# EAGLE board Mk4 Final a Panel score (EAGLE 9.0.1), part 17 of 24 (continued)
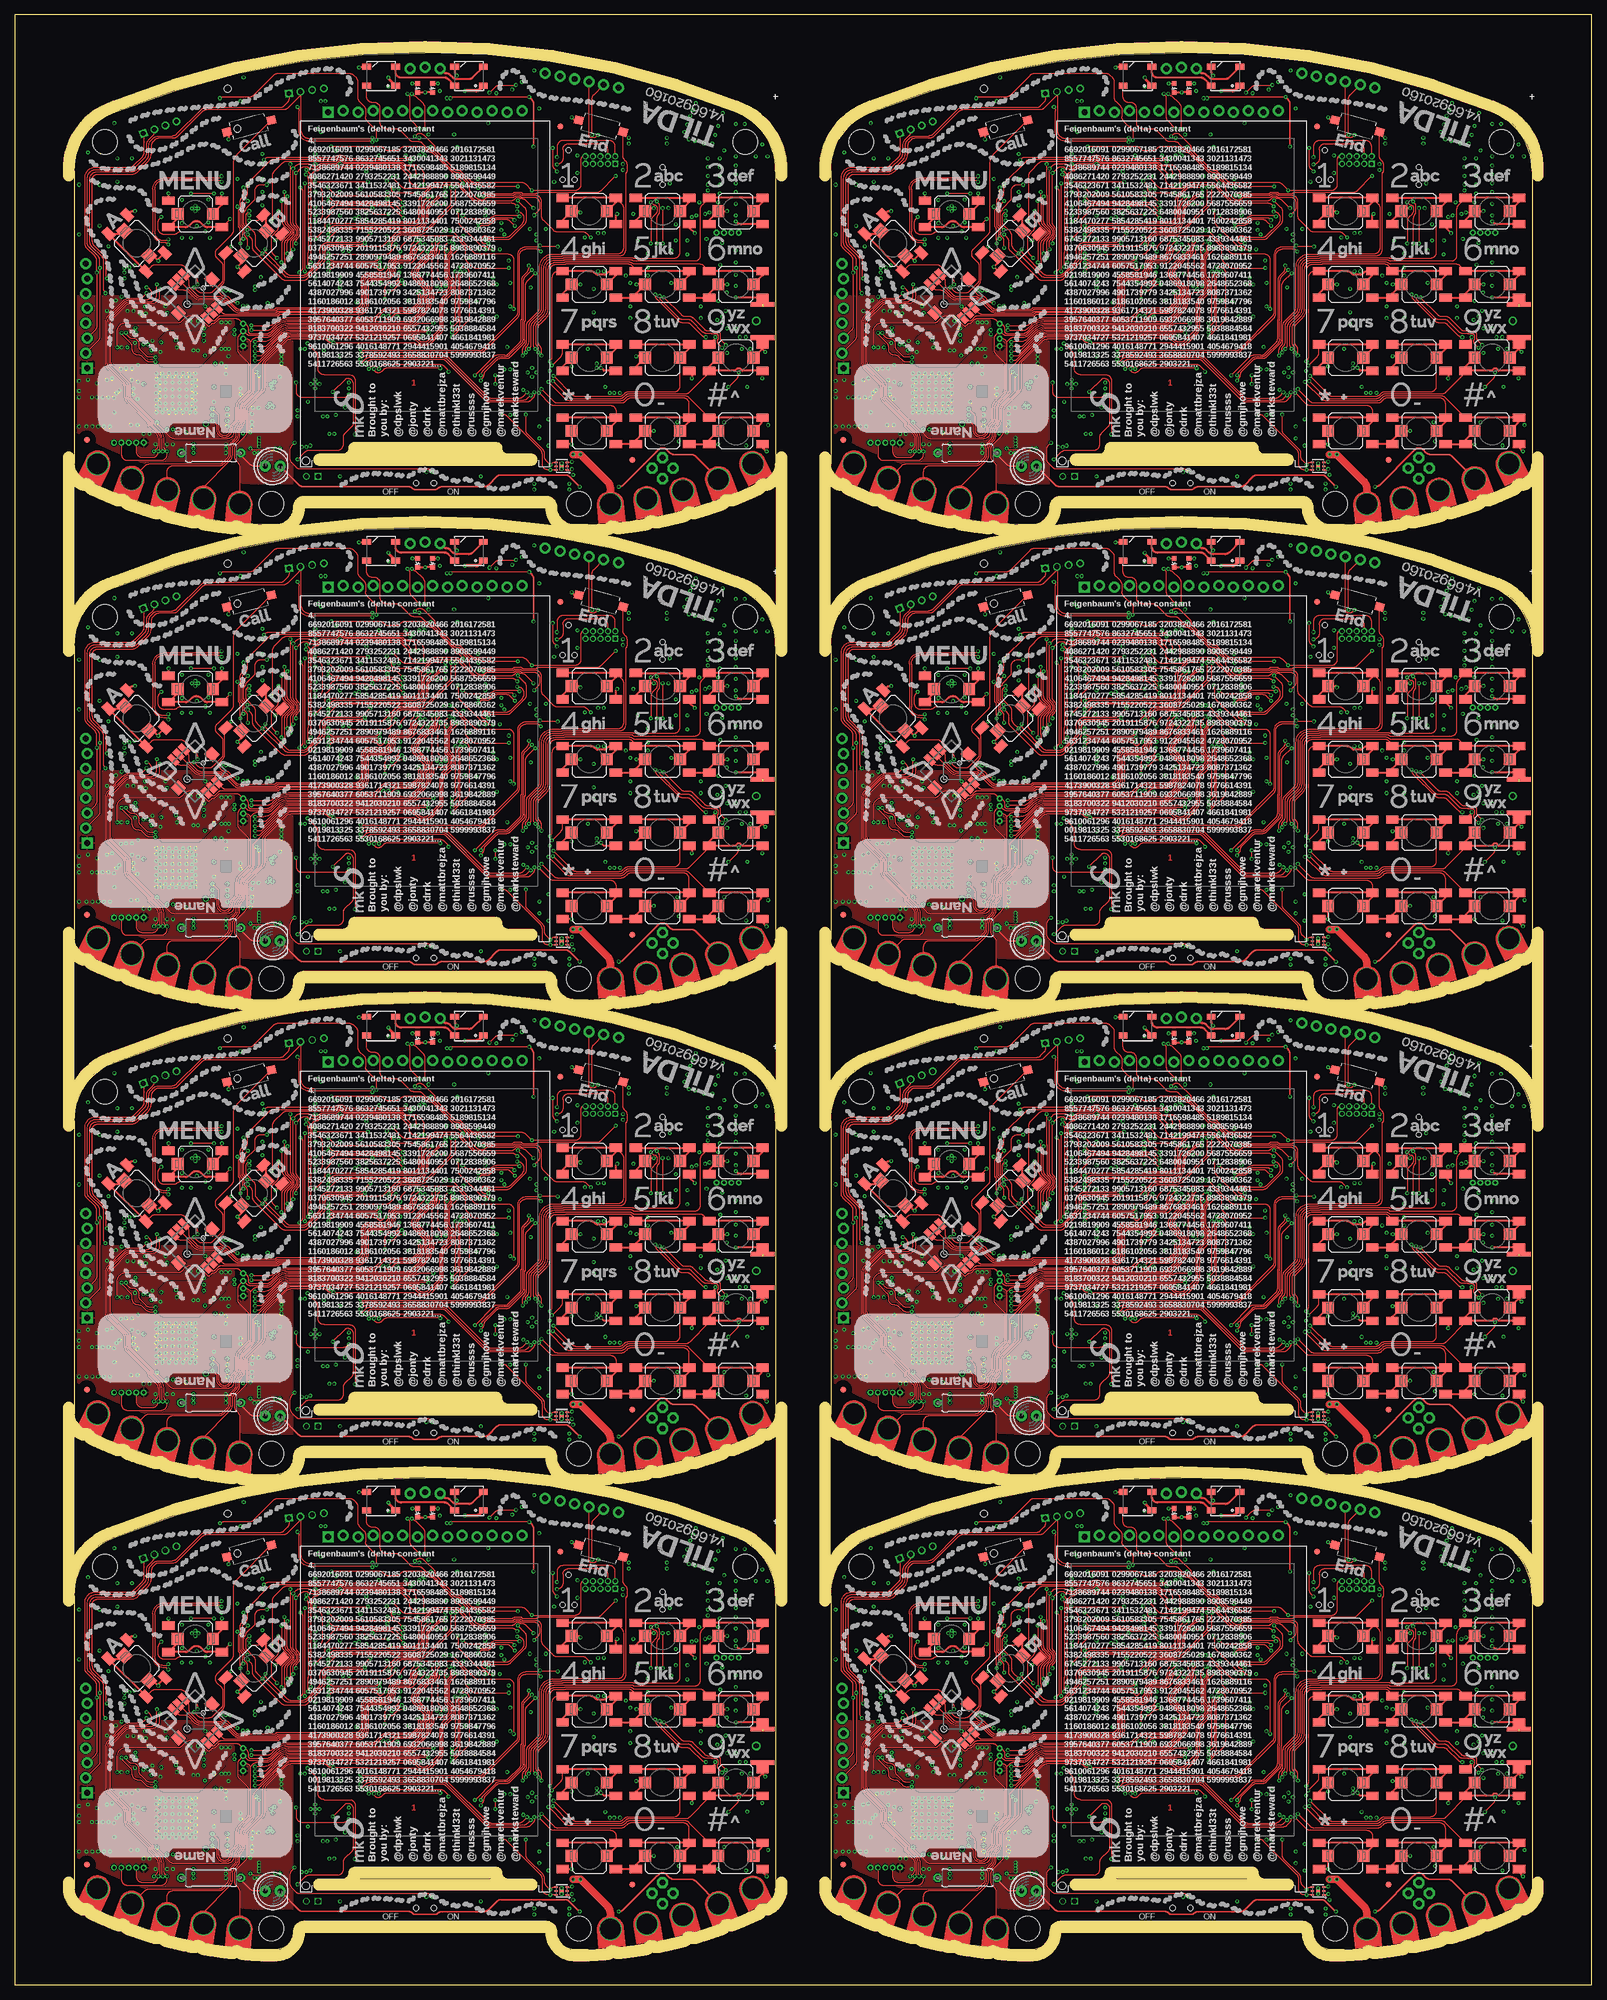
[diagram p0: board, top side]
## Tracks (layer width: path | path; a pad name or v marks a point on that pad's centre or on a via) (continued)
SDRAM_A102  (via drill 0.3)
  Top 0.15: v168,297.75 168,298.08 167.86,298.22 167.86,299.46 arc45 167.79,299.64 167.57,299.85 arc-45 167.5,300.03 167.5,302.37 arc-45 167.65,302.72 167.72,302.79 arc45 167.86,303.14 167.86,303.95 arc-45 168.16,304.66 168.46,304.96 arc45 168.75,305.66 v168.75,307.25 172.53,311.03 arc-45 173.24,311.32 183.73,311.32 183.79,311.38 arc-90 185.21,311.38 185.42,311.18 195.97,311.18 arc-45 v196.47,310.97
  Bottom 0.15: IC127.48 169.55,307.3 169.5,307.25 v168.75,307.25 | IC127.36 169.55,297.7 169.5,297.75 v168,297.75 | v196.47,310.97 196.8,310.64 IC128.75
SDRAM_A103  (via drill 0.3)
  Top 0.15: v168,306.5 168,305.41 arc-45 167.71,304.71 arc45 167.5,304.21 167.5,303.49 167.53,303.47 167.53,303.1 arc-45 167.47,302.98 167.47,302.97 167.35,302.84 arc45 167.2,302.49 167.2,299.91 arc45 167.27,299.73 167.4,299.6 arc-45 167.47,299.42 167.47,297.53 167.5,297.51 v167.5,297 | v180.25,297.75 181.68,299.18 arc45 181.97,299.89 181.97,300.71 arc-45 182.27,301.42 183.46,302.61 arc-45 184.16,302.9 188.94,302.9 arc-45 189.64,302.61 189.96,302.29 arc45 190.66,302 v192.75,302
  Bottom 0.15: IC127.47 v168,306.5 | v167.5,297 169.42,297 arc-45 169.56,296.94 169.6,296.9 IC127.35 175.49,296.9 arc45 176.19,297.19 176.46,297.46 arc-45 177.16,297.75 v180.25,297.75 | IC128.49 192.27,302.2 arc-45 v192.75,302
SDRAM_BA0  (via drill 0.3)
  Top 0.15: v48,54 48,54.38 arc-45 48.15,54.73 48.29,54.88 arc90 48.29,56.87 arc-45 48,57.57 v48,66 48.73,66.73 arc-45 49.44,67.03 49.76,67.03 arc-45 50.11,66.88 50.17,66.82 arc45 50.52,66.67 51.39,66.67 arc45 51.74,66.82 51.92,67.01 arc-45 52.63,67.3 54.96,67.3 55.15,67.11 arc90 55.85,67.11 56.02,67.28 65.69,67.28 arc-45 66.05,67.13 66.25,66.93 arc45 66.45,66.84 arc-45 66.8,66.7 v68,65.5
  Bottom 0.15: IC2.50 47.9,65.9 v48,66 | IC2.20 51.91,53.9 arc-45 51.81,53.94 arc45 51.67,54 v48,54 | v68,65.5 arc45 68.2,65.98 IC1.76
SDRAM_BA1  (via drill 0.3)
  Top 0.15: v47.5,53 47.48,53.02 47.48,54.07 arc-45 47.77,54.78 47.98,54.99 arc90 47.98,56.76 47.77,56.97 arc-45 47.48,57.67 47.48,66.72 v47.5,66.75 47.96,67.21 arc-45 48.66,67.5 50.09,67.5 arc-45 50.8,67.21 50.88,67.13 arc90 51.62,67.13 51.8,67.31 arc-45 52.51,67.6 54.86,67.6 55.15,67.89 arc-90 55.85,67.89 56.17,67.58 65.82,67.58 arc-45 66.17,67.43 66.31,67.29 arc45 66.66,67.15 67.5,67.15 arc-90 68.5,66.15 68.5,66.1 arc45 v68.75,65.5
  Bottom 0.15: v47.5,53 52.28,53 IC2.21 | v47.5,66.75 47.45,66.7 IC2.51 | v68.75,65.5 arc-45 68.6,65.86 IC1.77
SDRAM_BA2  (via drill 0.3)
  Top 0.15: v176.5,53 176.47,53.02 176.47,54.07 arc-45 176.77,54.78 176.98,54.99 arc90 176.98,56.76 176.77,56.97 arc-45 176.47,57.67 176.47,66.72 v176.5,66.75 176.96,67.21 arc-45 177.66,67.5 179.09,67.5 arc-45 179.8,67.21 179.88,67.13 arc90 180.62,67.13 180.8,67.31 arc-45 181.51,67.6 183.86,67.6 184.15,67.89 arc-90 184.85,67.89 185.17,67.58 194.82,67.58 arc-45 195.17,67.43 195.31,67.29 arc45 195.66,67.15 196.5,67.15 arc-90 197.5,66.15 197.5,66.1 arc45 v197.75,65.5
  Bottom 0.15: v176.5,53 181.28,53 IC19.21 | v176.5,66.75 176.45,66.7 IC19.51 | v197.75,65.5 arc-45 197.6,65.86 IC20.77
SDRAM_BA3  (via drill 0.3)
  Top 0.15: v177,54 177,54.38 arc-45 177.15,54.73 177.29,54.88 arc90 177.29,56.87 arc-45 177,57.57 v177,66 177.73,66.73 arc-45 178.44,67.03 178.76,67.03 arc-45 179.11,66.88 179.17,66.82 arc45 179.53,66.67 180.38,66.67 arc45 180.74,66.82 180.92,67.01 arc-45 181.63,67.3 183.96,67.3 184.15,67.11 arc90 184.85,67.11 185.02,67.28 194.69,67.28 arc-45 195.05,67.13 195.25,66.93 arc45 195.45,66.84 arc-45 195.8,66.7 v197,65.5
  Bottom 0.15: IC19.50 176.9,65.9 v177,66 | IC19.20 180.91,53.9 arc-45 180.81,53.94 arc45 180.67,54 v177,54 | v197,65.5 arc45 197.2,65.98 IC20.76
SDRAM_BA4  (via drill 0.3)
  Top 0.15: v47.5,134 47.48,134.03 47.48,135.07 arc-45 47.77,135.78 47.98,135.99 arc90 47.98,137.76 47.77,137.97 arc-45 47.48,138.67 47.48,147.72 v47.5,147.75 47.96,148.21 arc-45 48.66,148.5 50.09,148.5 arc-45 50.8,148.21 50.88,148.13 arc90 51.62,148.13 51.8,148.31 arc-45 52.51,148.6 54.86,148.6 55.15,148.89 arc-90 55.85,148.89 56.17,148.57 65.82,148.57 arc-45 66.17,148.43 66.31,148.29 arc45 66.66,148.15 67.5,148.15 arc-90 68.5,147.15 68.5,147.1 arc45 v68.75,146.5
  Bottom 0.15: v47.5,134 52.28,134 IC37.21 | v47.5,147.75 47.45,147.7 IC37.51 | v68.75,146.5 arc-45 68.6,146.86 IC38.77
SDRAM_BA5  (via drill 0.3)
  Top 0.15: v48,135 48,135.38 arc-45 48.15,135.74 48.29,135.88 arc90 48.29,137.87 arc-45 48,138.57 v48,147 48.73,147.73 arc-45 49.44,148.03 49.76,148.03 arc-45 50.11,147.88 50.17,147.82 arc45 50.52,147.68 51.39,147.68 arc45 51.74,147.82 51.92,148.01 arc-45 52.63,148.3 54.96,148.3 55.15,148.11 arc90 55.85,148.11 56.02,148.28 65.69,148.28 arc-45 66.05,148.13 66.25,147.93 arc45 66.45,147.84 arc-45 66.8,147.7 v68,146.5
  Bottom 0.15: IC37.50 47.9,146.9 v48,147 | IC37.20 51.91,134.9 arc-45 51.81,134.94 arc45 51.67,135 v48,135 | v68,146.5 arc45 68.2,146.98 IC38.76
SDRAM_BA6  (via drill 0.3)
  Top 0.15: v176.5,134 176.47,134.03 176.47,135.07 arc-45 176.77,135.78 176.98,135.99 arc90 176.98,137.76 176.77,137.97 arc-45 176.47,138.67 176.47,147.72 v176.5,147.75 176.96,148.21 arc-45 177.66,148.5 179.09,148.5 arc-45 179.8,148.21 179.88,148.13 arc90 180.62,148.13 180.8,148.31 arc-45 181.51,148.6 183.86,148.6 184.15,148.89 arc-90 184.85,148.89 185.17,148.57 194.82,148.57 arc-45 195.17,148.43 195.31,148.29 arc45 195.66,148.15 196.5,148.15 arc-90 197.5,147.15 197.5,147.1 arc45 v197.75,146.5
  Bottom 0.15: v176.5,134 181.28,134 IC55.21 | v176.5,147.75 176.45,147.7 IC55.51 | v197.75,146.5 arc-45 197.6,146.86 IC56.77
SDRAM_BA7  (via drill 0.3)
  Top 0.15: v177,135 177,135.38 arc-45 177.15,135.74 177.29,135.88 arc90 177.29,137.87 arc-45 177,138.57 v177,147 177.73,147.73 arc-45 178.44,148.03 178.76,148.03 arc-45 179.11,147.88 179.17,147.82 arc45 179.53,147.68 180.38,147.68 arc45 180.74,147.82 180.92,148.01 arc-45 181.63,148.3 183.96,148.3 184.15,148.11 arc90 184.85,148.11 185.02,148.28 194.69,148.28 arc-45 195.05,148.13 195.25,147.93 arc45 195.45,147.84 arc-45 195.8,147.7 v197,146.5
  Bottom 0.15: IC55.50 176.9,146.9 v177,147 | IC55.20 180.91,134.9 arc-45 180.81,134.94 arc45 180.67,135 v177,135 | v197,146.5 arc45 197.2,146.98 IC56.76
SDRAM_BA8  (via drill 0.3)
  Top 0.15: v47.5,215 47.48,215.03 47.48,216.07 arc-45 47.77,216.78 47.98,216.99 arc90 47.98,218.76 47.77,218.97 arc-45 47.48,219.67 47.48,228.72 v47.5,228.75 47.96,229.21 arc-45 48.66,229.5 50.09,229.5 arc-45 50.8,229.21 50.88,229.13 arc90 51.62,229.13 51.8,229.31 arc-45 52.51,229.6 54.86,229.6 55.15,229.89 arc-90 55.85,229.89 56.17,229.57 65.82,229.57 arc-45 66.17,229.43 66.31,229.29 arc45 66.66,229.15 67.5,229.15 arc-90 68.5,228.15 68.5,228.1 arc45 v68.75,227.5
  Bottom 0.15: v47.5,215 52.28,215 IC73.21 | v47.5,228.75 47.45,228.7 IC73.51 | v68.75,227.5 arc-45 68.6,227.86 IC74.77
SDRAM_BA9  (via drill 0.3)
  Top 0.15: v48,216 48,216.38 arc-45 48.15,216.74 48.29,216.88 arc90 48.29,218.87 arc-45 48,219.57 v48,228 48.73,228.73 arc-45 49.44,229.03 49.76,229.03 arc-45 50.11,228.88 50.17,228.82 arc45 50.52,228.68 51.39,228.68 arc45 51.74,228.82 51.92,229.01 arc-45 52.63,229.3 54.96,229.3 55.15,229.11 arc90 55.85,229.11 56.02,229.28 65.69,229.28 arc-45 66.05,229.13 66.25,228.93 arc45 66.45,228.84 arc-45 66.8,228.7 v68,227.5
  Bottom 0.15: IC73.50 47.9,227.9 v48,228 | IC73.20 51.91,215.9 arc-45 51.81,215.94 arc45 51.67,216 v48,216 | v68,227.5 arc45 68.2,227.98 IC74.76
SDRAM_BA10  (via drill 0.3)
  Top 0.15: v176.5,215 176.47,215.03 176.47,216.07 arc-45 176.77,216.78 176.98,216.99 arc90 176.98,218.76 176.77,218.97 arc-45 176.47,219.67 176.47,228.72 v176.5,228.75 176.96,229.21 arc-45 177.66,229.5 179.09,229.5 arc-45 179.8,229.21 179.88,229.13 arc90 180.62,229.13 180.8,229.31 arc-45 181.51,229.6 183.86,229.6 184.15,229.89 arc-90 184.85,229.89 185.17,229.57 194.82,229.57 arc-45 195.17,229.43 195.31,229.29 arc45 195.66,229.15 196.5,229.15 arc-90 197.5,228.15 197.5,228.1 arc45 v197.75,227.5
  Bottom 0.15: v176.5,215 181.28,215 IC91.21 | v176.5,228.75 176.45,228.7 IC91.51 | v197.75,227.5 arc-45 197.6,227.86 IC92.77
SDRAM_BA11  (via drill 0.3)
  Top 0.15: v177,216 177,216.38 arc-45 177.15,216.74 177.29,216.88 arc90 177.29,218.87 arc-45 177,219.57 v177,228 177.73,228.73 arc-45 178.44,229.03 178.76,229.03 arc-45 179.11,228.88 179.17,228.82 arc45 179.53,228.68 180.38,228.68 arc45 180.74,228.82 180.92,229.01 arc-45 181.63,229.3 183.96,229.3 184.15,229.11 arc90 184.85,229.11 185.02,229.28 194.69,229.28 arc-45 195.05,229.13 195.25,228.93 arc45 195.45,228.84 arc-45 195.8,228.7 v197,227.5
  Bottom 0.15: IC91.50 176.9,227.9 v177,228 | IC91.20 180.91,215.9 arc-45 180.81,215.94 arc45 180.67,216 v177,216 | v197,227.5 arc45 197.2,227.98 IC92.76
SDRAM_BA12  (via drill 0.3)
  Top 0.15: v47.5,296 47.48,296.02 47.48,297.07 arc-45 47.77,297.78 47.98,297.99 arc90 47.98,299.76 47.77,299.97 arc-45 47.48,300.67 47.48,309.73 v47.5,309.75 47.96,310.21 arc-45 48.66,310.5 50.09,310.5 arc-45 50.8,310.21 50.88,310.13 arc90 51.62,310.13 51.8,310.31 arc-45 52.51,310.6 54.86,310.6 55.15,310.89 arc-90 55.85,310.89 56.17,310.57 65.82,310.57 arc-45 66.17,310.43 66.31,310.29 arc45 66.66,310.14 67.5,310.14 arc-90 68.5,309.14 68.5,309.1 arc45 v68.75,308.5
  Bottom 0.15: v47.5,296 52.28,296 IC109.21 | v47.5,309.75 47.45,309.7 IC109.51 | v68.75,308.5 arc-45 68.6,308.86 IC110.77
SDRAM_BA13  (via drill 0.3)
  Top 0.15: v48,297 48,297.38 arc-45 48.15,297.74 48.29,297.88 arc90 48.29,299.87 arc-45 48,300.57 v48,309 48.73,309.73 arc-45 49.44,310.02 49.76,310.02 arc-45 50.11,309.88 50.17,309.82 arc45 50.52,309.68 51.39,309.68 arc45 51.74,309.82 51.92,310.01 arc-45 52.63,310.3 54.96,310.3 55.15,310.11 arc90 55.85,310.11 56.02,310.27 65.69,310.27 arc-45 66.05,310.13 66.25,309.93 arc45 66.45,309.85 arc-45 66.8,309.7 v68,308.5
  Bottom 0.15: IC109.50 47.9,308.9 v48,309 | IC109.20 51.91,296.9 arc-45 51.81,296.94 arc45 51.67,297 v48,297 | v68,308.5 arc45 68.2,308.98 IC110.76
SDRAM_BA14  (via drill 0.3)
  Top 0.15: v176.5,296 176.47,296.02 176.47,297.07 arc-45 176.77,297.78 176.98,297.99 arc90 176.98,299.76 176.77,299.97 arc-45 176.47,300.67 176.47,309.73 v176.5,309.75 176.96,310.21 arc-45 177.66,310.5 179.09,310.5 arc-45 179.8,310.21 179.88,310.13 arc90 180.62,310.13 180.8,310.31 arc-45 181.51,310.6 183.86,310.6 184.15,310.89 arc-90 184.85,310.89 185.17,310.57 194.82,310.57 arc-45 195.17,310.43 195.31,310.29 arc45 195.66,310.14 196.5,310.14 arc-90 197.5,309.14 197.5,309.1 arc45 v197.75,308.5
  Bottom 0.15: v176.5,296 181.28,296 IC127.21 | v176.5,309.75 176.45,309.7 IC127.51 | v197.75,308.5 arc-45 197.6,308.86 IC128.77
SDRAM_BA15  (via drill 0.3)
  Top 0.15: v177,297 177,297.38 arc-45 177.15,297.74 177.29,297.88 arc90 177.29,299.87 arc-45 177,300.57 v177,309 177.73,309.73 arc-45 178.44,310.02 178.76,310.02 arc-45 179.11,309.88 179.17,309.82 arc45 179.53,309.68 180.38,309.68 arc45 180.74,309.82 180.92,310.01 arc-45 181.63,310.3 183.96,310.3 184.15,310.11 arc90 184.85,310.11 185.02,310.27 194.69,310.27 arc-45 195.05,310.13 195.25,309.93 arc45 195.45,309.85 arc-45 195.8,309.7 v197,308.5
  Bottom 0.15: IC127.50 176.9,308.9 v177,309 | IC127.20 180.91,296.9 arc-45 180.81,296.94 arc45 180.67,297 v177,297 | v197,308.5 arc45 197.2,308.98 IC128.76
SDRAM_CKE  (via drill 0.3)
  Top 0.15: v39.75,55.5 40.21,55.04 arc-45 40.5,54.34 40.5,53.41 arc45 40.79,52.71 45.48,48.02 arc45 46.19,47.73 49.29,47.73 arc45 49.99,48.02 52.68,50.71 arc45 52.98,51.41 52.98,52.5 arc-90 53.98,53.5 62.29,53.5 arc45 63,53.79 64.87,55.66 arc-45 65.93,56.1 68.25,56.1 arc90 70.5,58.35 70.5,59.49 arc-45 70.79,60.19 72.31,61.71 arc-45 73.01,62 v73.5,62
  Bottom 0.15: IC1.104 76.73,62.4 arc45 76.59,62.34 76.53,62.28 arc-45 76.39,62.23 73.75,62.23 73.53,62 v73.5,62 | v39.75,55.5 IC2.37
SDRAM_CKE1  (via drill 0.3)
  Top 0.15: v168.75,55.5 169.21,55.04 arc-45 169.5,54.34 169.5,53.41 arc45 169.79,52.71 174.48,48.02 arc45 175.19,47.73 178.29,47.73 arc45 178.99,48.02 181.68,50.71 arc45 181.97,51.41 181.97,52.5 arc-90 182.97,53.5 191.29,53.5 arc45 192,53.79 193.87,55.66 arc-45 194.93,56.1 197.25,56.1 arc90 199.5,58.35 199.5,59.49 arc-45 199.79,60.19 201.31,61.71 arc-45 202.01,62 v202.5,62
  Bottom 0.15: IC20.104 205.73,62.4 arc45 205.59,62.34 205.53,62.28 arc-45 205.39,62.23 202.75,62.23 202.53,62 v202.5,62 | v168.75,55.5 IC19.37
SDRAM_CKE2  (via drill 0.3)
  Top 0.15: v39.75,136.5 40.21,136.04 arc-45 40.5,135.34 40.5,134.41 arc45 40.79,133.71 45.48,129.02 arc45 46.19,128.72 49.29,128.72 arc45 49.99,129.02 52.68,131.71 arc45 52.98,132.41 52.98,133.5 arc-90 53.98,134.5 62.29,134.5 arc45 63,134.79 64.87,136.66 arc-45 65.93,137.1 68.25,137.1 arc90 70.5,139.35 70.5,140.49 arc-45 70.79,141.19 72.31,142.71 arc-45 73.01,143 v73.5,143
  Bottom 0.15: IC38.104 76.73,143.4 arc45 76.59,143.34 76.53,143.28 arc-45 76.39,143.22 73.75,143.22 73.53,143 v73.5,143 | v39.75,136.5 IC37.37
SDRAM_CKE3  (via drill 0.3)
  Top 0.15: v168.75,136.5 169.21,136.04 arc-45 169.5,135.34 169.5,134.41 arc45 169.79,133.71 174.48,129.02 arc45 175.19,128.72 178.29,128.72 arc45 178.99,129.02 181.68,131.71 arc45 181.97,132.41 181.97,133.5 arc-90 182.97,134.5 191.29,134.5 arc45 192,134.79 193.87,136.66 arc-45 194.93,137.1 197.25,137.1 arc90 199.5,139.35 199.5,140.49 arc-45 199.79,141.19 201.31,142.71 arc-45 202.01,143 v202.5,143
  Bottom 0.15: IC56.104 205.73,143.4 arc45 205.59,143.34 205.53,143.28 arc-45 205.39,143.22 202.75,143.22 202.53,143 v202.5,143 | v168.75,136.5 IC55.37
SDRAM_CKE4  (via drill 0.3)
  Top 0.15: v39.75,217.5 40.21,217.04 arc-45 40.5,216.34 40.5,215.41 arc45 40.79,214.71 45.48,210.02 arc45 46.19,209.72 49.29,209.72 arc45 49.99,210.02 52.68,212.71 arc45 52.98,213.41 52.98,214.5 arc-90 53.98,215.5 62.29,215.5 arc45 63,215.79 64.87,217.66 arc-45 65.93,218.1 68.25,218.1 arc90 70.5,220.35 70.5,221.49 arc-45 70.79,222.19 72.31,223.71 arc-45 73.01,224 v73.5,224
  Bottom 0.15: IC74.104 76.73,224.4 arc45 76.59,224.34 76.53,224.28 arc-45 76.39,224.22 73.75,224.22 73.53,224 v73.5,224 | v39.75,217.5 IC73.37
SDRAM_CKE5  (via drill 0.3)
  Top 0.15: v168.75,217.5 169.21,217.04 arc-45 169.5,216.34 169.5,215.41 arc45 169.79,214.71 174.48,210.02 arc45 175.19,209.72 178.29,209.72 arc45 178.99,210.02 181.68,212.71 arc45 181.97,213.41 181.97,214.5 arc-90 182.97,215.5 191.29,215.5 arc45 192,215.79 193.87,217.66 arc-45 194.93,218.1 197.25,218.1 arc90 199.5,220.35 199.5,221.49 arc-45 199.79,222.19 201.31,223.71 arc-45 202.01,224 v202.5,224
  Bottom 0.15: IC92.104 205.73,224.4 arc45 205.59,224.34 205.53,224.28 arc-45 205.39,224.22 202.75,224.22 202.53,224 v202.5,224 | v168.75,217.5 IC91.37
SDRAM_CKE6  (via drill 0.3)
  Top 0.15: v39.75,298.5 40.21,298.04 arc-45 40.5,297.34 40.5,296.41 arc45 40.79,295.71 45.48,291.02 arc45 46.19,290.73 49.29,290.73 arc45 49.99,291.02 52.68,293.71 arc45 52.98,294.41 52.98,295.5 arc-90 53.98,296.5 62.29,296.5 arc45 63,296.79 64.87,298.66 arc-45 65.93,299.1 68.25,299.1 arc90 70.5,301.35 70.5,302.49 arc-45 70.79,303.19 72.31,304.71 arc-45 73.01,305 v73.5,305
  Bottom 0.15: IC110.104 76.73,305.4 arc45 76.59,305.34 76.53,305.28 arc-45 76.39,305.23 73.75,305.23 73.53,305 v73.5,305 | v39.75,298.5 IC109.37
SDRAM_CKE7  (via drill 0.3)
  Top 0.15: v168.75,298.5 169.21,298.04 arc-45 169.5,297.34 169.5,296.41 arc45 169.79,295.71 174.48,291.02 arc45 175.19,290.73 178.29,290.73 arc45 178.99,291.02 181.68,293.71 arc45 181.97,294.41 181.97,295.5 arc-90 182.97,296.5 191.29,296.5 arc45 192,296.79 193.87,298.66 arc-45 194.93,299.1 197.25,299.1 arc90 199.5,301.35 199.5,302.49 arc-45 199.79,303.19 201.31,304.71 arc-45 202.01,305 v202.5,305
  Bottom 0.15: IC128.104 205.73,305.4 arc45 205.59,305.34 205.53,305.28 arc-45 205.39,305.23 202.75,305.23 202.53,305 v202.5,305 | v168.75,298.5 IC127.37
SDRAM_CLK  (via drill 0.3)
  Top 0.15: v43,64 42,64 arc90 41,63 41,61.5 39.52,60.02 arc45 39.48,59.91 arc-45 39.33,59.55 39.25,59.47 arc45 39.1,59.12 39.1,57.28 arc45 39.17,57.1 39.4,56.87 arc-45 39.48,56.7 39.48,56.52 v39.7,56.3 | v51.23,64.5 v60.25,64.5
  Bottom 0.15: v51.23,64.5 50.17,64.5 arc-45 49.86,64.63 arc45 49.51,64.78 44.19,64.78 arc45 43.48,64.48 v43,64 | IC1.62 60.35,64.4 v60.25,64.5 | IC2.38 v39.7,56.3
SDRAM_CLK1  (via drill 0.3)
  Top 0.15: v172,64 171,64 arc90 170,63 170,61.5 168.52,60.02 arc45 168.47,59.91 arc-45 168.33,59.55 168.25,59.47 arc45 168.1,59.12 168.1,57.28 arc45 168.17,57.1 168.4,56.87 arc-45 168.47,56.7 168.47,56.52 v168.7,56.3 | v180.23,64.5 v189.25,64.5
  Bottom 0.15: v180.23,64.5 179.17,64.5 arc-45 178.86,64.63 arc45 178.51,64.78 173.19,64.78 arc45 172.48,64.48 v172,64 | IC20.62 189.35,64.4 v189.25,64.5 | IC19.38 v168.7,56.3
SDRAM_CLK2  (via drill 0.3)
  Top 0.15: v43,145 42,145 arc90 41,144 41,142.5 39.52,141.02 arc45 39.48,140.91 arc-45 39.33,140.55 39.25,140.47 arc45 39.1,140.12 39.1,138.28 arc45 39.17,138.1 39.4,137.87 arc-45 39.48,137.7 39.48,137.53 v39.7,137.3 | v51.23,145.5 v60.25,145.5
  Bottom 0.15: v51.23,145.5 50.17,145.5 arc-45 49.86,145.63 arc45 49.51,145.78 44.19,145.78 arc45 43.48,145.48 v43,145 | IC38.62 60.35,145.4 v60.25,145.5 | IC37.38 v39.7,137.3
SDRAM_CLK3  (via drill 0.3)
  Top 0.15: v172,145 171,145 arc90 170,144 170,142.5 168.52,141.02 arc45 168.47,140.91 arc-45 168.33,140.55 168.25,140.47 arc45 168.1,140.12 168.1,138.28 arc45 168.17,138.1 168.4,137.87 arc-45 168.47,137.7 168.47,137.53 v168.7,137.3 | v180.23,145.5 v189.25,145.5
  Bottom 0.15: v180.23,145.5 179.17,145.5 arc-45 178.86,145.63 arc45 178.51,145.78 173.19,145.78 arc45 172.48,145.48 v172,145 | IC56.62 189.35,145.4 v189.25,145.5 | IC55.38 v168.7,137.3
SDRAM_CLK4  (via drill 0.3)
  Top 0.15: v43,226 42,226 arc90 41,225 41,223.5 39.52,222.02 arc45 39.48,221.91 arc-45 39.33,221.55 39.25,221.47 arc45 39.1,221.12 39.1,219.28 arc45 39.17,219.1 39.4,218.87 arc-45 39.48,218.7 39.48,218.53 v39.7,218.3 | v51.23,226.5 v60.25,226.5
  Bottom 0.15: v51.23,226.5 50.17,226.5 arc-45 49.86,226.63 arc45 49.51,226.78 44.19,226.78 arc45 43.48,226.48 v43,226 | IC74.62 60.35,226.4 v60.25,226.5 | IC73.38 v39.7,218.3
SDRAM_CLK5  (via drill 0.3)
  Top 0.15: v172,226 171,226 arc90 170,225 170,223.5 168.52,222.02 arc45 168.47,221.91 arc-45 168.33,221.55 168.25,221.47 arc45 168.1,221.12 168.1,219.28 arc45 168.17,219.1 168.4,218.87 arc-45 168.47,218.7 168.47,218.53 v168.7,218.3 | v180.23,226.5 v189.25,226.5
  Bottom 0.15: v180.23,226.5 179.17,226.5 arc-45 178.86,226.63 arc45 178.51,226.78 173.19,226.78 arc45 172.48,226.48 v172,226 | IC92.62 189.35,226.4 v189.25,226.5 | IC91.38 v168.7,218.3
SDRAM_CLK6  (via drill 0.3)
  Top 0.15: v43,307 42,307 arc90 41,306 41,304.5 39.52,303.02 arc45 39.48,302.91 arc-45 39.33,302.55 39.25,302.47 arc45 39.1,302.12 39.1,300.28 arc45 39.17,300.1 39.4,299.87 arc-45 39.48,299.7 39.48,299.52 v39.7,299.3 | v51.23,307.5 v60.25,307.5
  Bottom 0.15: v51.23,307.5 50.17,307.5 arc-45 49.86,307.63 arc45 49.51,307.77 44.19,307.77 arc45 43.48,307.48 v43,307 | IC110.62 60.35,307.4 v60.25,307.5 | IC109.38 v39.7,299.3
SDRAM_CLK7  (via drill 0.3)
  Top 0.15: v172,307 171,307 arc90 170,306 170,304.5 168.52,303.02 arc45 168.47,302.91 arc-45 168.33,302.55 168.25,302.47 arc45 168.1,302.12 168.1,300.28 arc45 168.17,300.1 168.4,299.87 arc-45 168.47,299.7 168.47,299.52 v168.7,299.3 | v180.23,307.5 v189.25,307.5
  Bottom 0.15: v180.23,307.5 179.17,307.5 arc-45 178.86,307.63 arc45 178.51,307.77 173.19,307.77 arc45 172.48,307.48 v172,307 | IC128.62 189.35,307.4 v189.25,307.5 | IC127.38 v168.7,299.3
SDRAM_D1  (via drill 0.3)
  Top 0.15: v197,68.5 195.94,68.5 arc-45 195.88,68.47 185.54,68.47 185.38,68.63 arc90 183.62,68.63 183.61,68.62 172.29,68.62 arc45 171.58,68.33 v171.5,68.25
  Bottom 0.15: IC19.53 171.45,68.3 v171.5,68.25 | IC20.78 198,67.53 arc90 197.8,67.72 197.68,67.72 arc-90 197.47,67.92 197.47,67.94 arc45 197.42,68.08 v197,68.5
SDRAM_D2  (via drill 0.3)
  Top 0.15: v68,149.5 66.94,149.5 arc-45 66.88,149.47 56.54,149.47 56.38,149.63 arc90 54.62,149.63 54.61,149.62 43.29,149.62 arc45 42.58,149.33 v42.5,149.25
  Bottom 0.15: IC37.53 42.45,149.3 v42.5,149.25 | IC38.78 69,148.53 arc90 68.8,148.72 68.67,148.72 arc-90 68.47,148.93 68.47,148.94 arc45 68.42,149.08 v68,149.5
SDRAM_D3  (via drill 0.3)
  Top 0.15: v197,149.5 195.94,149.5 arc-45 195.88,149.47 185.54,149.47 185.38,149.63 arc90 183.62,149.63 183.61,149.62 172.29,149.62 arc45 171.58,149.33 v171.5,149.25
  Bottom 0.15: IC55.53 171.45,149.3 v171.5,149.25 | IC56.78 198,148.53 arc90 197.8,148.72 197.68,148.72 arc-90 197.47,148.93 197.47,148.94 arc45 197.42,149.08 v197,149.5
SDRAM_D4  (via drill 0.3)
  Top 0.15: v68,230.5 66.94,230.5 arc-45 66.88,230.47 56.54,230.47 56.38,230.63 arc90 54.62,230.63 54.61,230.62 43.29,230.62 arc45 42.58,230.33 v42.5,230.25
  Bottom 0.15: IC73.53 42.45,230.3 v42.5,230.25 | IC74.78 69,229.53 arc90 68.8,229.72 68.67,229.72 arc-90 68.47,229.93 68.47,229.94 arc45 68.42,230.08 v68,230.5
SDRAM_D5  (via drill 0.3)
  Top 0.15: v197,230.5 195.94,230.5 arc-45 195.88,230.47 185.54,230.47 185.38,230.63 arc90 183.62,230.63 183.61,230.62 172.29,230.62 arc45 171.58,230.33 v171.5,230.25
  Bottom 0.15: IC91.53 171.45,230.3 v171.5,230.25 | IC92.78 198,229.53 arc90 197.8,229.72 197.68,229.72 arc-90 197.47,229.93 197.47,229.94 arc45 197.42,230.08 v197,230.5
SDRAM_D6  (via drill 0.3)
  Top 0.15: v68,311.5 66.94,311.5 arc-45 66.88,311.48 56.54,311.48 56.38,311.63 arc90 54.62,311.63 54.61,311.62 43.29,311.62 arc45 42.58,311.33 v42.5,311.25
  Bottom 0.15: IC109.53 42.45,311.3 v42.5,311.25 | IC110.78 69,310.52 arc90 68.8,310.73 68.67,310.73 arc-90 68.47,310.93 68.47,310.94 arc45 68.42,311.08 v68,311.5
SDRAM_D7  (via drill 0.3)
  Top 0.15: v197,311.5 195.94,311.5 arc-45 195.88,311.48 185.54,311.48 185.38,311.63 arc90 183.62,311.63 183.61,311.62 172.29,311.62 arc45 171.58,311.33 v171.5,311.25
  Bottom 0.15: IC127.53 171.45,311.3 v171.5,311.25 | IC128.78 198,310.52 arc90 197.8,310.73 197.68,310.73 arc-90 197.47,310.93 197.47,310.94 arc45 197.42,311.08 v197,311.5
SDRAM_D15  (via drill 0.3)
  Top 0.15: v68,68.5 66.94,68.5 arc-45 66.88,68.47 56.54,68.47 56.38,68.63 arc90 54.62,68.63 54.61,68.62 43.29,68.62 arc45 42.58,68.33 v42.5,68.25
  Bottom 0.15: IC2.53 42.45,68.3 v42.5,68.25 | IC1.78 69,67.53 arc90 68.8,67.72 68.67,67.72 arc-90 68.47,67.92 68.47,67.94 arc45 68.42,68.08 v68,68.5
SDRAM_DQMH  (via drill 0.3)
  Top 0.15: v43.75,57.75 arc45 44,58.35 44,65.59 arc-45 44.29,66.29 45.73,67.73 arc-45 46.44,68.03 54.86,68.03 54.97,68.14 arc-90 56.03,68.14 56.29,67.88 65.94,67.88 arc-45 66.29,67.73 66.43,67.59 arc45 66.78,67.44 68.14,67.44 arc-45 68.85,67.15 69.46,66.54 arc-45 69.75,65.84 v69.75,64
  Bottom 0.15: IC2.39 41.19,57.1 arc45 41.89,57.39 41.96,57.46 arc-45 42.66,57.75 v43.75,57.75 | IC1.82 70.6,65.26 arc-45 70.31,64.56 v69.75,64
SDRAM_DQMH1  (via drill 0.3)
  Top 0.15: v172.75,57.75 arc45 173,58.35 173,65.59 arc-45 173.29,66.29 174.73,67.73 arc-45 175.44,68.03 183.86,68.03 183.97,68.14 arc-90 185.03,68.14 185.29,67.88 194.94,67.88 arc-45 195.29,67.73 195.43,67.59 arc45 195.78,67.44 197.14,67.44 arc-45 197.85,67.15 198.46,66.54 arc-45 198.75,65.84 v198.75,64
  Bottom 0.15: IC19.39 170.19,57.1 arc45 170.89,57.39 170.96,57.46 arc-45 171.66,57.75 v172.75,57.75 | IC20.82 199.6,65.26 arc-45 199.31,64.56 v198.75,64
SDRAM_DQMH2  (via drill 0.3)
  Top 0.15: v43.75,138.75 arc45 44,139.35 44,146.59 arc-45 44.29,147.29 45.73,148.73 arc-45 46.44,149.03 54.86,149.03 54.97,149.14 arc-90 56.03,149.14 56.29,148.88 65.94,148.88 arc-45 66.29,148.73 66.43,148.59 arc45 66.78,148.44 68.14,148.44 arc-45 68.85,148.15 69.46,147.54 arc-45 69.75,146.84 v69.75,145
  Bottom 0.15: IC37.39 41.19,138.1 arc45 41.89,138.39 41.96,138.46 arc-45 42.66,138.75 v43.75,138.75 | IC38.82 70.6,146.26 arc-45 70.31,145.56 v69.75,145
SDRAM_DQMH3  (via drill 0.3)
  Top 0.15: v172.75,138.75 arc45 173,139.35 173,146.59 arc-45 173.29,147.29 174.73,148.73 arc-45 175.44,149.03 183.86,149.03 183.97,149.14 arc-90 185.03,149.14 185.29,148.88 194.94,148.88 arc-45 195.29,148.73 195.43,148.59 arc45 195.78,148.44 197.14,148.44 arc-45 197.85,148.15 198.46,147.54 arc-45 198.75,146.84 v198.75,145
  Bottom 0.15: IC55.39 170.19,138.1 arc45 170.89,138.39 170.96,138.46 arc-45 171.66,138.75 v172.75,138.75 | IC56.82 199.6,146.26 arc-45 199.31,145.56 v198.75,145
SDRAM_DQMH4  (via drill 0.3)
  Top 0.15: v43.75,219.75 arc45 44,220.35 44,227.59 arc-45 44.29,228.29 45.73,229.73 arc-45 46.44,230.03 54.86,230.03 54.97,230.14 arc-90 56.03,230.14 56.29,229.88 65.94,229.88 arc-45 66.29,229.73 66.43,229.59 arc45 66.78,229.44 68.14,229.44 arc-45 68.85,229.15 69.46,228.54 arc-45 69.75,227.84 v69.75,226
  Bottom 0.15: IC73.39 41.19,219.1 arc45 41.89,219.39 41.96,219.46 arc-45 42.66,219.75 v43.75,219.75 | IC74.82 70.6,227.26 arc-45 70.31,226.56 v69.75,226
SDRAM_DQMH5  (via drill 0.3)
  Top 0.15: v172.75,219.75 arc45 173,220.35 173,227.59 arc-45 173.29,228.29 174.73,229.73 arc-45 175.44,230.03 183.86,230.03 183.97,230.14 arc-90 185.03,230.14 185.29,229.88 194.94,229.88 arc-45 195.29,229.73 195.43,229.59 arc45 195.78,229.44 197.14,229.44 arc-45 197.85,229.15 198.46,228.54 arc-45 198.75,227.84 v198.75,226